# Altium PCB R100.230.030.001-00 ControlVR.PcbDoc (part 1 of 5) (continued)
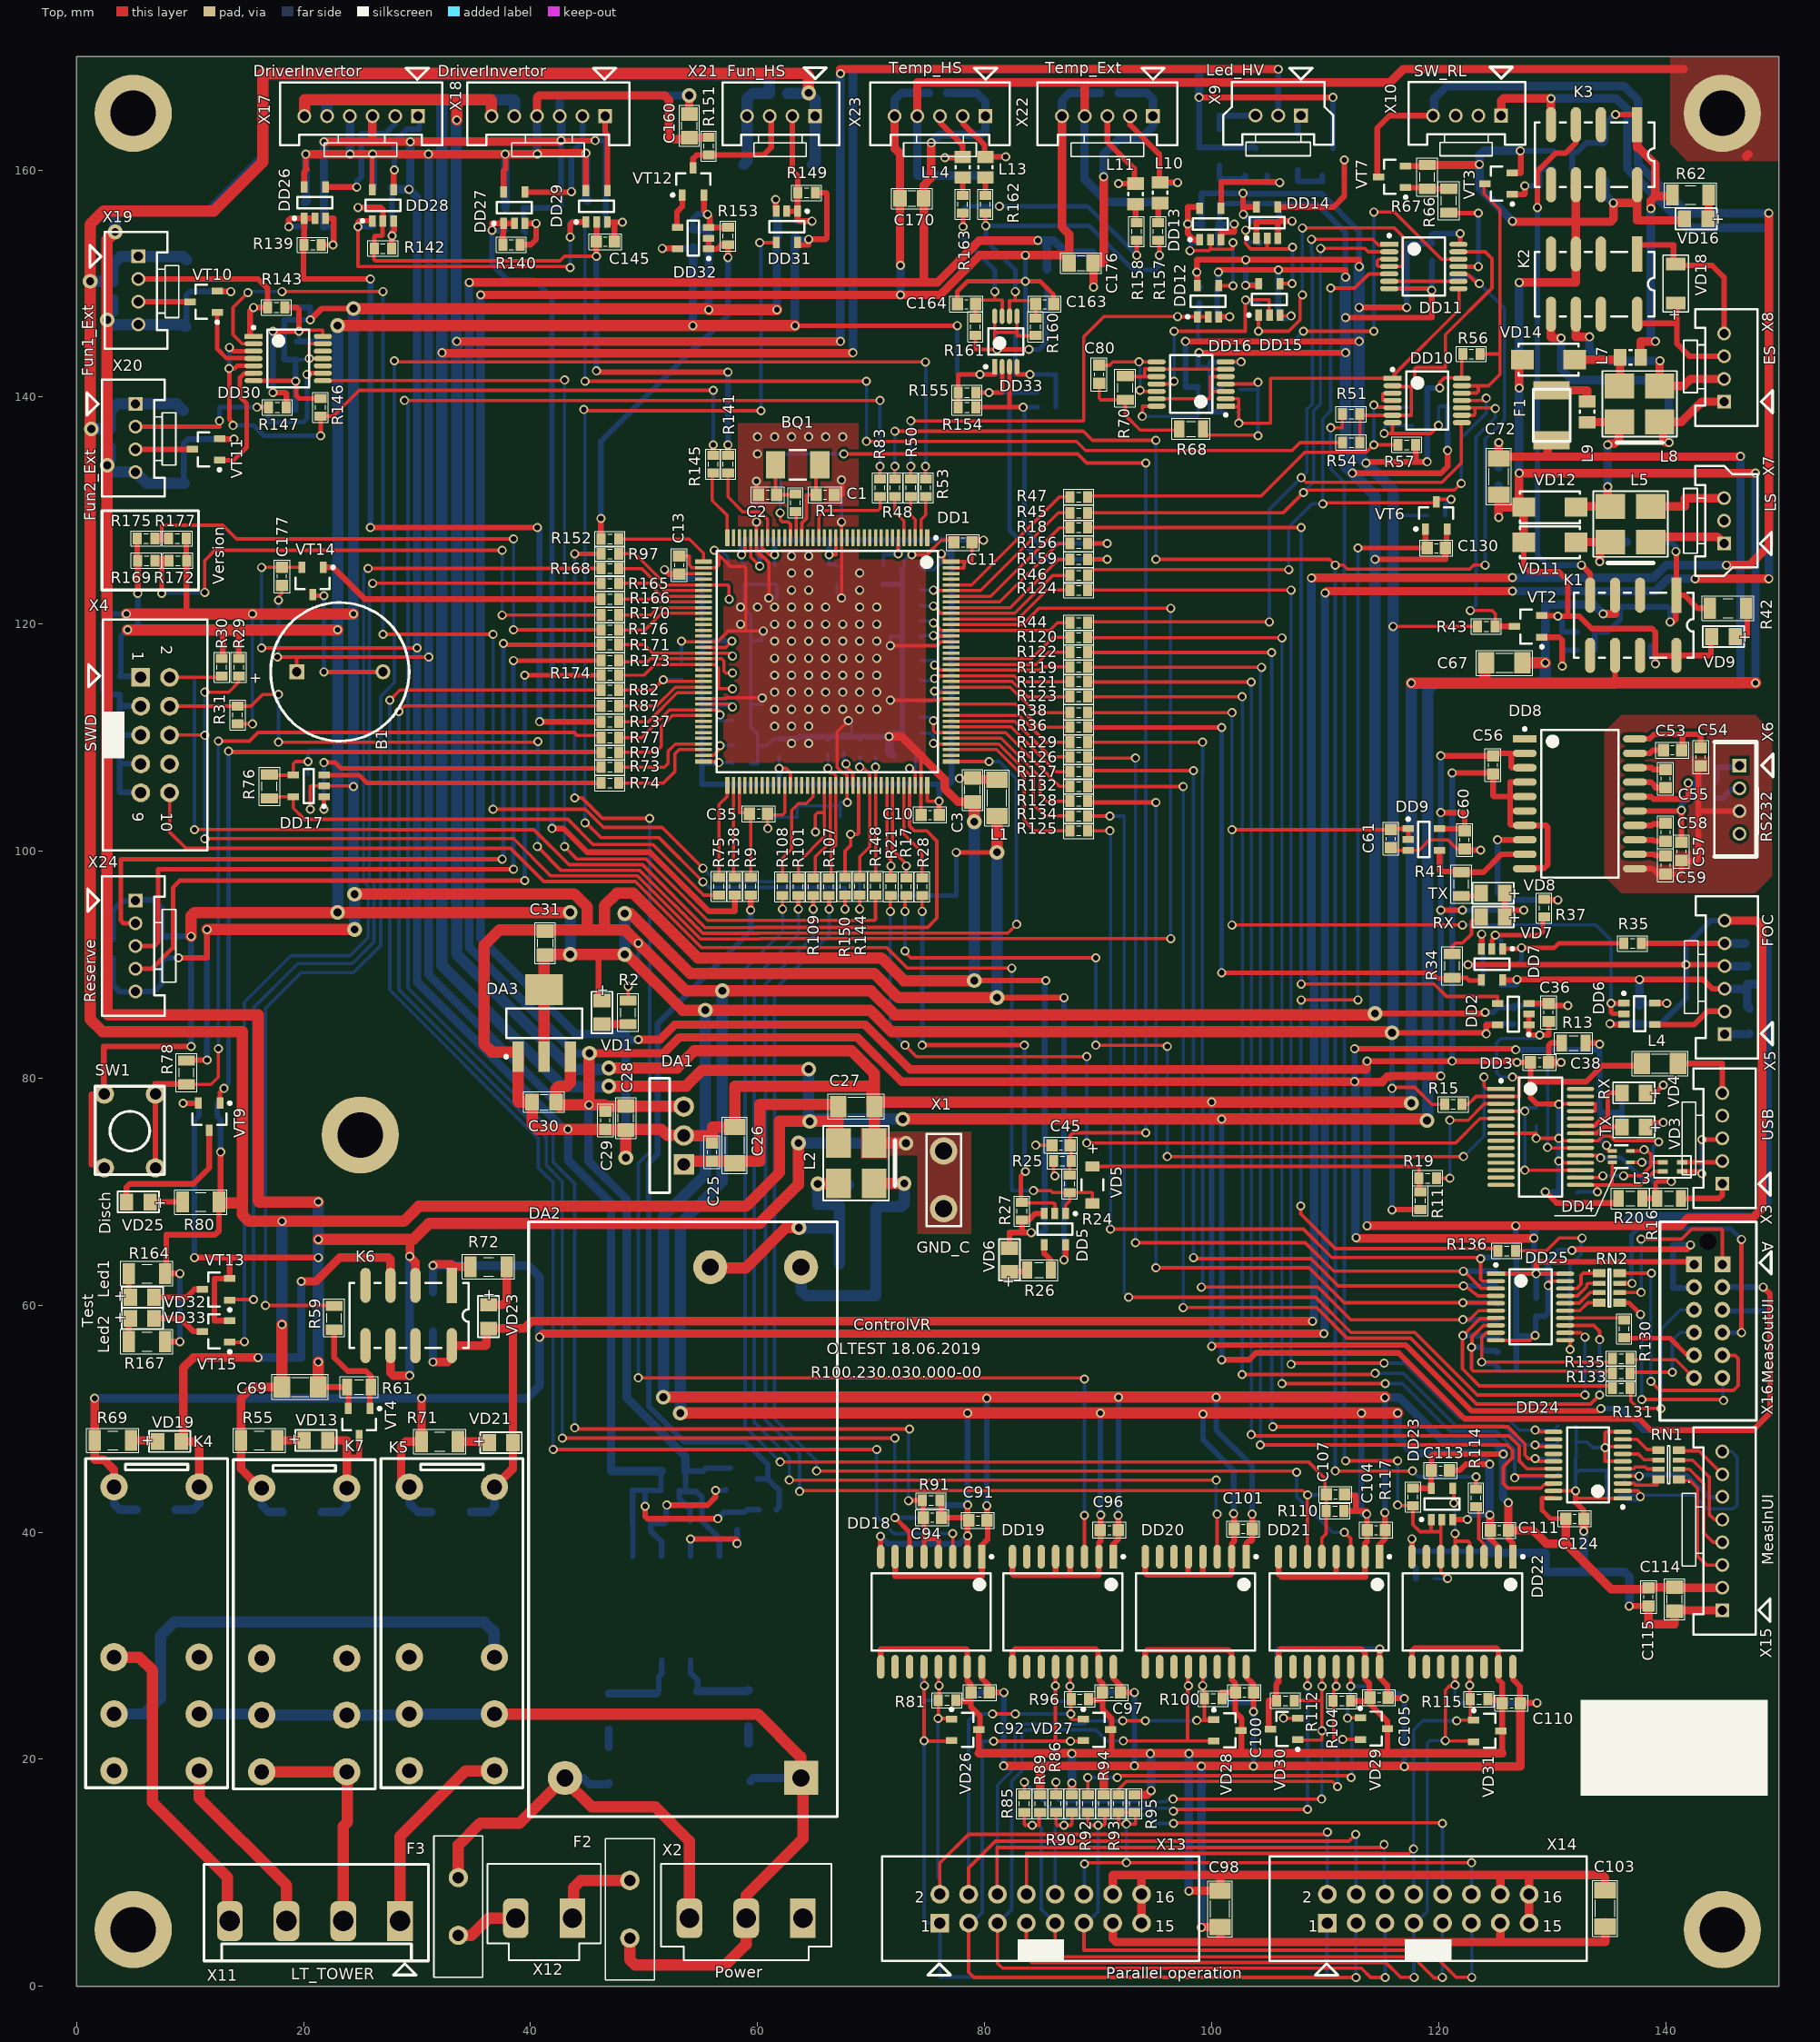
[diagram p0: Top view]
## Components (designator, comment, footprint, x,y, rotation, side; value= is the part's Value field where it differs from the comment) (continued)
C138 "0.1u" SMD_C_0603 38.575,156.675 r180 bottom
C139 "100p" SMD_C_0603 21,155.025 r180 bottom
C140 "100p" SMD_C_0603 38.575,154.675 r180 bottom
C141 "100p" SMD_C_0603 27,155.15 r0 bottom
C142 "100p" SMD_C_0603 45.8,155.4 r0 bottom
C143 "0.1u" SMD_C_0603 27,158.4 r180 bottom
C144 "0.1u" SMD_C_0603 45.825,157.3 r180 bottom
C145 "100p" SMD_C_0603 46.6,153.7 r180 top
C146 "100p" SMD_C_0603 27,156.65 r180 bottom
C147 "100u 20V" TAJD 9.7,149.15 r270 bottom
C148 "0.1u" SMD_C_0603 3.2,149.4 r270 bottom
C149 "10nF" SMD_C_0603 17.6,147.9 r0 bottom
C150 "1n" SMD_C_0603 69,109.3 r270 bottom
C151 "100u 20V" TAJD 9.45,135.65 r270 bottom
C152 "0.1u" SMD_C_0603 2.95,136.4 r270 bottom
C153 "10nF" SMD_C_0603 17.7,139.1 r0 bottom
C154 "1n" SMD_C_0603 70.4,109.3 r270 bottom
C155 "0.1u" SMD_C_0603 62.575,154.125 r0 bottom
C156 "100u 20V" TAJD 61.825,160.5 r180 bottom
C157 "0.1u" SMD_C_0603 61.825,166.75 r180 bottom
C158 "10nF" SMD_C_0603 62.575,155.5 r180 bottom
C159 "1n" SMD_C_0603 68.1,103 r0 bottom
C160 "4.7u" SMD_C_0805 54,163.9 r90 top
C161 "0.1u" SMD_C_0603 19.4,144.1 r270 bottom
C162 "0.1u" SMD_C_0603 54.325,154 r270 bottom
C163 "100p" SMD_C_0603 85.3,148.2 r0 top
C164 "100p" SMD_C_0603 78.4,148.2 r180 top
C165 "100p" SMD_C_0603 95.5,158 r270 bottom
C166 "100p" SMD_C_0603 93.3,158 r270 bottom
C167 "100p" SMD_C_0603 85.5,139.1 r180 bottom
C168 "100p" SMD_C_0603 85.5,140.5 r180 bottom
C169 "0.1u" SMD_C_0603 75.9,166.8 r0 bottom
C170 "4.7u" SMD_C_0805 73.6,157.5 r0 top
C171 "0.1u" SMD_C_0603 81.9,145.6 r180 bottom
C172 "0.1u" SMD_C_0603 81.875,142 r180 bottom
C173 "100p" SMD_C_0603 80.1,160.3 r270 bottom
C174 "100p" SMD_C_0603 78.1,160.3 r270 bottom
C175 "0.1u" SMD_C_0603 91,166.8 r0 bottom
C176 "4.7u" SMD_C_0805 88.5,151.8 r0 top
C177 "0.1u" SMD_C_0603 18.1,124.2 r270 top
C178 "100p" SMD_C_0603 58.6,117.15 r180 bottom
C179 "100p" SMD_C_0603 58.6,115.7 r180 bottom
C180 "100p" SMD_C_0603 58.6,114.3 r180 bottom
C181 "0.1u" SMD_C_0603 3.2,91.4 r270 bottom
C182 "4.7u" SMD_C_0805 7.55,91.4 r270 bottom
DA1 "TPSM84205" "EAB (SIP DCDC MODULE)" 53.5,74.96 r90 top
DA2 "IRM-20-12" IRM-20-12 63.831,18.358 r90 top
DA3 "TLV1117-33IDCY" SOT-223_M 41.2,84.85 r90 top
DA4 "6N139-X007" 6N139-X007 52.83,33.3 r90 bottom
DD1 "STM32F767ZI" SOT486-1_V 66.15,116.7 r270 top
DD2 "SN74LVC1G00DBV" SOT-23(DBV) 126.575,85.65 r180 top
DD3 "FT232RL" SSOP-28_M 129,74.825 r0 top
DD4 "TPD2E001DRLR" DRL5_M 136.1,73.1 r0 top
DD5 "SN74LVC1G00DBV" SOT-23(DBV) 86.2,66.7 r270 top
DD6 "SN74LVC1G08DBV" SOT-23(DBV) 137.7,85.675 r0 top
DD7 "SN74LVC1G08DBV" SOT-23(DBV) 124.7,90.025 r270 top
DD8 "ADM3251E" RW-20 132.446,104.175 r0 top
DD9 "SN74LVC1G08DBV" SOT-23(DBV) 118.7,101.025 r0 top
DD10 "74HC00" TSSOP14 119,139.7 r0 top
DD11 "74HC08" TSSOP14 118.7,151.5 r0 top
DD12 "SN74LVC1G00DBV" SOT-23(DBV) 99.7,148.45 r90 top
DD13 "SN74LVC1G08DBV" SOT-23(DBV) 99.9,155.25 r90 top
DD14 "SN74LVC1G32DBV" SOT-23(DBV) 104.9,155.375 r90 top
DD15 "SN74LVC1G08DBV" SOT-23(DBV) 105.1,148.6 r90 top
DD16 "74HC00" TSSOP14 98.2,141.15 r180 top
DD17 "AT24C08C-STUM" 5TS1 20.45,105.75 r180 top
DD18 "ISO1410DW" SOIC127P1030X265-16M 75.3,33 r270 top
DD19 "ISO1410DW" SOIC127P1030X265-16M 86.9,33 r270 top
DD20 "ISO1410DW" SOIC127P1030X265-16M 98.6,33 r270 top
DD21 "ISO1412DW" SOIC127P1030X265-16M 110.35,33 r270 top
DD22 "ISO1410DW" SOIC127P1030X265-16M 122.1,33 r270 top
DD23 "SN74LVC1G00DBV" SOT-23(DBV) 120.3,42.5 r90 top
DD24 "74HC244PW" TSSOP20 133.175,45.925 r180 top
DD25 "74HCT245PW" TSSOP20 128.1,59.85 r0 top
DD26 "SN74AHCT1G08DBV" SOT-23(DBV) 21,157.125 r90 top
DD27 "SN74AHCT1G08DBV" SOT-23(DBV) 38.575,156.675 r90 top
DD28 "SN74AHCT1G08DBV" SOT-23(DBV) 27,156.9 r90 top
DD29 "SN74AHCT1G08DBV" SOT-23(DBV) 45.825,156.8 r90 top
DD30 "74HC14PW" TSSOP14 18.65,143.4 r0 top
DD31 "SN74LVC1G00DBV" SOT-23(DBV) 62.575,155 r270 top
DD32 "SN74LVC1G00DBV" SOT-23(DBV) 54.325,154 r180 top
DD33 "TCA9517DGKR" DGK8_M 81.875,144.9 r90 top
F1 "0.1A 60VDC 15R" MF-MSMF010 129.964,138.4 r90 top
F2 "0.4A 250VAC 1.35R" C250-400 48.75,6.79 r90 top
F3 "0.4A 250VAC 1.35R" C250-400 33.644,7.04 r270 top
K1 "FTR-B4GA012Z" FTR-B4GA 140.95,122.55 r270 top
K2 "FTR-B4GA012Z" FTR-B4GA 137.5,152.6 r270 top
K3 "FTR-B4GA012Z" FTR-B4GA 137.5,164 r270 top
K4 "G2RL-24 DC12" G2RL 10.806,19 r270 top
K5 "G2RL-24 DC12" G2RL 36.823,18.994 r270 top
K6 "FTR-B4GA012Z" FTR-B4GA 33.062,61.75 r270 top
K7 "G2RL-24 DC12" G2RL 23.814,18.9 r270 top
L1 "BLM31PG601SN1" SMD_L_1206 81.1,104.7 r90 top
L2 "DLW5BSM351SQ2" DLW5BS(AH) 68.7,72.5 r90 top
L3 "744231091" WE-CNSW-0805 140.6,72.2 r180 top
L4 "BLM31PG601SN1" SMD_L_1206 139.5,81.3 r180 top
L5 "DLW5BSM302SQ2" DLW5BS(AH) 136.9,128.8 r0 top
L6 "BLM21AG102SN1" SMD_L_L2_W1.25 137.5,127.25 r0 bottom
L7 "BLM21AG102SN1" SMD_L_L2_W1.25 136.9,143.5 r0 top
L8 "DLW5BSM302SQ2" DLW5BS(AH) 137.7,139.4 r0 top
L9 "BLM21AG102SN1" SMD_L_L2_W1.25 133.1,138.7 r90 top
L10 "BLM21AG102SN1" SMD_L_L2_W1.25 95.475,158 r270 top
L11 "BLM21AG102SN1" SMD_L_L2_W1.25 93.3,157.9 r270 top
L12 "BLM21AG102SN1" SMD_L_L2_W1.25 85.5,150.3 r270 bottom
L13 "BLM21AG102SN1" SMD_L_L2_W1.25 80.075,160.25 r270 top
L14 "BLM21AG102SN1" SMD_L_L2_W1.25 78.075,160.25 r270 top
R1 "619" SMD_R_0603 63.35,130.7 r90 top
R2 "150" SMD_R_0805 48.6,85.8 r270 top
R3 "18.7K" SMD_R_1206 46.9,19.5 r270 bottom
R4 "18.7K" SMD_R_1206 59.2,19.8 r270 bottom
R5 "10K" SMD_R_0603 58.2,41 r90 bottom
R6 "18.7K" SMD_R_1206 46.9,24.2 r270 bottom
R7 "18.7K" SMD_R_1206 59.2,24.5 r270 bottom
R8 "10K" SMD_R_0805 53,41 r0 bottom
R9 "100" SMD_R_0603 59.4,96.9 r90 top
R10 "1K" SMD_R_0603 60.9,42 r0 bottom
R11 "10K" SMD_R_0603 118.4,69.2 r270 top
R12 "10K" SMD_R_0603 73.1,96.875 r270 bottom
R13 "10" SMD_R_0805 131.9,83.1 r0 top
R14 "10K" SMD_R_0603 71.75,96.875 r270 bottom
R15 "10K" SMD_R_0603 121.3,77.7 r180 top
R16 "4.7K" SMD_R_0805 140.3,69.4 r0 top
R17 "100" SMD_R_0603 73.1,96.875 r90 top
R18 "100" SMD_R_0603 88.3,128.5 r180 top
R19 "100" SMD_R_0603 119.05,71.2 r180 top
R20 "10K" SMD_R_0805 136.9,69.4 r0 top
R21 "100" SMD_R_0603 71.75,96.875 r90 top
R22 "390" SMD_R_0805 137.2,75.6 r0 bottom
R23 "390" SMD_R_0805 137.15,78.6 r0 bottom
R24 "100" SMD_R_0603 87.5,70.7 r270 top
R25 "10K" SMD_R_0603 86.85,72.7 r180 top
R26 "150" SMD_R_0805 84.8,63.1 r180 top
R27 "10K" SMD_R_0603 83.3,68.3 r270 top
R28 "100" SMD_R_0603 74.5,96.875 r90 top
R29 "10K" SMD_R_0603 14.3,116.2 r90 top
R30 "10K" SMD_R_0603 12.8,116.2 r90 top
R31 "10K" SMD_R_0603 14.2,112 r90 top
R32 "1K" SMD_R_0603 147.8,91.9 r0 bottom
R33 "150" SMD_R_0805 147.4,85 r90 bottom
R34 "390" SMD_R_0805 121.2,89.9 r90 top
R35 "100" SMD_R_0603 137.1,91.875 r180 top
R36 "100" SMD_R_0603 88.3,110.925 r180 top
R37 "100" SMD_R_0603 129.3,95 r270 top
R38 "100" SMD_R_0603 88.3,112.225 r180 top
R39 "100" SMD_R_0603 143.6,106.1 r180 bottom
R40 "100" SMD_R_0603 143.6,104.7 r180 bottom
R41 "390" SMD_R_0805 122,97.1 r90 top
R42 "1K" SMD_R_1206 145.5,121.4 r0 top
R43 "1K" SMD_R_0603 124.2,119.8 r180 top
R44 "100" SMD_R_0603 88.3,120.125 r180 top
R45 "100" SMD_R_0603 88.3,129.8 r180 top
R46 "100" SMD_R_0603 88.3,124.3 r180 top
R47 "100" SMD_R_0603 88.3,131.2 r180 top
R48 "100" SMD_R_0603 72.125,132 r270 top
R49 "10K" SMD_R_0603 133,117.7 r180 bottom
R50 "100" SMD_R_0603 73.525,132 r270 top
R51 "100" SMD_R_0603 112.3,138.5 r180 top
R52 "10K" SMD_R_0603 133,119.3 r0 bottom
R53 "100" SMD_R_0603 74.825,132 r270 top
R54 "100" SMD_R_0603 112.3,136 r180 top
R55 "1K" SMD_R_1206 16.1,48.1 r0 top
R56 "1K" SMD_R_0603 122.9,143.8 r180 top
R57 "10K" SMD_R_0603 117.2,135.8 r180 top
R58 "10K" SMD_R_0603 131,160 r180 bottom
R59 "1K" SMD_R_0805 22.7,58.9 r270 top
R60 "10K" SMD_R_0603 131,161.6 r0 bottom
R61 "1K" SMD_R_0805 24.9,52.8 r0 top
R62 "1K" SMD_R_1206 142.2,157.8 r0 top
R63 "510" SMD_R_1206 100.7,162 r90 bottom
R64 "510" SMD_R_1206 107.6,161.6 r90 bottom
R65 "1K" SMD_R_0603 119.8,129.575 r180 bottom
R66 "1K" SMD_R_0805 120.9,157.3 r90 top
R67 "1K" SMD_R_0805 119,159.4 r270 top
R68 "1M" SMD_R_0805 98.2,137.2 r180 top
R69 "1K" SMD_R_1206 3.2,48.1 r0 top
R70 "200K" SMD_R_0805 92.4,140.8 r270 top
R71 "1K" SMD_R_1206 32,48 r0 top
R72 "1K" SMD_R_1206 36.3,63.4 r0 top
R73 "100" SMD_R_0603 47,107.4 r0 top
R74 "100" SMD_R_0603 47,106 r0 top
R75 "100" SMD_R_0603 56.6,96.9 r90 top
R76 "4.7K" SMD_R_0805 17,105.7 r270 top
R77 "100" SMD_R_0603 47,110 r0 top
R78 "2K" SMD_R_0805 9.7,80.5 r270 top
R79 "100" SMD_R_0603 47,108.7 r0 top
R80 "510" SMD_R_1206 10.95,69.1 r0 top
R81 "10K" SMD_R_0603 76.7,25.2 r180 top
R82 "100" SMD_R_0603 47,114.2 r180 top
R83 "100" SMD_R_0603 70.8,132 r90 top
R84 "619" SMD_R_0603 75.2,28.3 r0 bottom
R85 "0R" SMD_R_0603 83.5,16.1 r270 top
R86 "0R" SMD_R_0603 86.3,16.1 r90 top
R87 "100" SMD_R_0603 47,112.8 r180 top
R88 "10K" SMD_R_0603 76.7,25.2 r180 bottom
R89 "0R" SMD_R_0603 84.9,16.1 r270 top
R90 "0R" SMD_R_0603 87.7,16.1 r90 top
R91 "10K" SMD_R_0603 75.3,42.8 r180 top
R92 "0R" SMD_R_0603 89.1,16.1 r270 top
R93 "0R" SMD_R_0603 91.8,16.1 r90 top
R94 "0R" SMD_R_0603 90.5,16.1 r270 top
R95 "0R" SMD_R_0603 93.2,16.1 r90 top
R96 "10K" SMD_R_0603 88.4,25.3 r0 top
R97 "100" SMD_R_0603 47,126.2 r180 top
R98 "619" SMD_R_0603 86.9,28.3 r0 bottom
R99 "10K" SMD_R_0603 88.5,25.2 r180 bottom
R100 "10K" SMD_R_0603 100.15,25.35 r0 top
R101 "100" SMD_R_0603 63.575,96.875 r270 top
R102 "619" SMD_R_0603 98.7,28.2 r0 bottom
R103 "10K" SMD_R_0603 100.175,25.025 r180 bottom
R104 "10K" SMD_R_0603 111.475,25.15 r0 top
R105 "10K" SMD_R_0603 114.6,25.8 r0 bottom
R106 "619" SMD_R_0603 111.7,28.6 r180 bottom
R107 "100" SMD_R_0603 66.275,96.875 r270 top
R108 "100" SMD_R_0603 62.2,96.875 r270 top
R109 "100" SMD_R_0603 64.9,96.875 r270 top
R110 "10K" SMD_R_0603 110.875,41.875 r180 top
R111 "619" SMD_R_0603 109,28.6 r0 bottom
R112 "10K" SMD_R_0603 106.5,25.175 r0 top
R113 "10K" SMD_R_0603 106.5,25.225 r0 bottom
R114 "100" SMD_R_0603 123.3,43.025 r270 top
R115 "10K" SMD_R_0603 123.575,25.3 r0 top
R116 "10K" SMD_R_0603 123.875,24.95 r0 bottom
R117 "10K" SMD_R_0603 117.75,43.125 r270 top
R118 "619" SMD_R_0603 122.1,28.6 r0 bottom
R119 "100" SMD_R_0603 88.3,116.225 r180 top
R120 "100" SMD_R_0603 88.3,118.825 r180 top
R121 "100" SMD_R_0603 88.3,114.925 r180 top
R122 "100" SMD_R_0603 88.3,117.525 r180 top
R123 "100" SMD_R_0603 88.3,113.625 r180 top
R124 "100" SMD_R_0603 88.3,123 r180 top
R125 "100" SMD_R_0603 88.3,101.8 r0 top
R126 "100" SMD_R_0603 88.3,108.3 r0 top
R127 "100" SMD_R_0603 88.3,107 r0 top
R128 "100" SMD_R_0603 88.3,104.4 r0 top
R129 "100" SMD_R_0603 88.3,109.6 r0 top
R130 "100" SMD_R_0603 136.35,57.925 r270 top
R131 "100" SMD_R_0603 136.1,52.7 r180 top
R132 "100" SMD_R_0603 88.3,105.7 r180 top
R133 "100" SMD_R_0603 136.1,54 r180 top
R134 "100" SMD_R_0603 88.3,103.1 r180 top
R135 "100" SMD_R_0603 136.1,55.3 r180 top
R136 "100" SMD_R_0603 126,64.8 r180 top
R137 "100" SMD_R_0603 47,111.4 r180 top
R138 "100" SMD_R_0603 58,96.9 r270 top
R139 "5K6" SMD_R_0603 20.8,153.4 r180 top
R140 "5K6" SMD_R_0603 38.325,153.425 r180 top
R141 "100" SMD_R_0603 57.4,134.1 r90 top
R142 "5K6" SMD_R_0603 27,153.1 r180 top
R143 "2.2K" SMD_R_0603 17.6,147.9 r0 top
R144 "100" SMD_R_0603 69,96.9 r90 top
R145 "100" SMD_R_0603 56.1,134.1 r270 top
R146 "10K" SMD_R_0603 21.5,139.1 r270 top
R147 "2.2K" SMD_R_0603 17.7,139.1 r0 top
R148 "100" SMD_R_0603 70.4,96.9 r90 top
R149 "2.2K" SMD_R_0603 64.325,158 r0 top
R150 "100" SMD_R_0603 67.7,96.9 r90 top
R151 "2.2K" SMD_R_0603 55.7,162.1 r270 top
R152 "100" SMD_R_0603 47,127.5 r0 top
R153 "10K" SMD_R_0603 57.4,154.2 r270 top
R154 "2K" SMD_R_0603 78.45,139.1 r180 top
R155 "2K" SMD_R_0603 78.45,140.4 r180 top
R156 "100" SMD_R_0603 88.3,127.1 r180 top
R157 "100" SMD_R_0603 95.3,154.6 r270 top
R158 "100" SMD_R_0603 93.4,154.6 r270 top
R159 "100" SMD_R_0603 88.3,125.7 r180 top
R160 "2K" SMD_R_0603 84.5,146.2 r270 top
R161 "2K" SMD_R_0603 79.2,146.2 r270 top
R162 "100" SMD_R_0603 80.075,157 r270 top
R163 "100" SMD_R_0603 78.075,157 r270 top
R164 "1K" SMD_R_1206 6.2,62.8 r0 top
R165 "100" SMD_R_0603 47,123.6 r180 top
R166 "100" SMD_R_0603 47,122.2 r180 top
R167 "1K" SMD_R_1206 6.2,56.8 r0 top
R168 "100" SMD_R_0603 47,124.9 r180 top
R169 "10K" SMD_R_0603 6.15,125.6 r180 top
R170 "100" SMD_R_0603 47,120.8 r180 top
R171 "100" SMD_R_0603 47,118.2 r180 top
R172 "100" SMD_R_0603 8.925,125.6 r180 top
R173 "100" SMD_R_0603 47,116.8 r180 top
R174 "100" SMD_R_0603 47,115.5 r180 top
R175 "10K" SMD_R_0603 6.125,127.55 r180 top
R176 "100" SMD_R_0603 47,119.5 r180 top
R177 "100" SMD_R_0603 8.9,127.55 r180 top
RN1 "100" CRA06S 140.275,45.95 r180 top
RN2 "100" CRA06S 135.05,61.525 r0 top
SW1 "B3F-1025" "B3F-1025 (NO GND)" 2.45,78.6 r270 top
VD1 "LL-S172GC-2A" SMD_LED_LL_GREEN 46.3,85.8 r270 top
VD2 "PMLL4148" SOD80C 53,26 r0 bottom
VD3 "LL-S172GC-2A" SMD_LED_LL_GREEN 137.2,75.7 r180 top
VD4 "LL-S172GC-2A" SMD_LED_LL_GREEN 137.2,78.7 r180 top
VD5 "MBR0540T1G" SOD-123 89.5,70.6 r90 top
VD6 "LL-S172SC-2S" SMD_LED_LL_RED 82.2,64 r90 top
VD7 "LL-S172GC-2A" SMD_LED_LL_GREEN 124.8,94.2 r180 top
VD8 "LL-S172GC-2A" SMD_LED_LL_GREEN 124.8,96.3 r180 top
VD9 "LL-S172GC-2A" SMD_LED_LL_GREEN 145.1,118.9 r180 top
VD10 "PMLL4148" SOD80C 138.7,119.8 r90 bottom
VD11 "SMAJ12CA" "DO-214AC NOPOLARITY" 129.8,127.2 r180 top
VD12 "SMAJ12CA" "DO-214AC NOPOLARITY" 129.8,130.3 r180 top
VD13 "LL-S172GC-2A" SMD_LED_LL_GREEN 21.1,48.1 r0 top
VD14 "SMAJ12CA" "DO-214AC NOPOLARITY" 129.7,143.3 r180 top
VD15 "PMLL4148" SOD80C 19.9,41.8 r180 bottom
VD16 "LL-S172GC-2A" SMD_LED_LL_GREEN 142.7,155.7 r180 top
VD17 "PMLL4148" SOD80C 134.7,160.8 r90 bottom
VD18 "PMLL4148" SOD80C 140.9,150 r90 top
VD19 "LL-S172GC-2A" SMD_LED_LL_GREEN 8.2,48 r0 top
VD20 "PMLL4148" SOD80C 7,42 r180 bottom
VD21 "LL-S172GC-2A" SMD_LED_LL_GREEN 37.404,47.9 r0 top
VD22 "PMLL4148" SOD80C 33,41.8 r180 bottom
VD23 "LL-S172GC-2A" SMD_LED_LL_GREEN 36.3,59 r270 top
VD24 "PMLL4148" SOD80C 31.4,59.425 r90 bottom
VD25 "LL-S172SC-2S" SMD_LED_LL_RED 5.45,69.1 r180 top
VD26 "PSM712" SOT23-3 78.3,22.6 r0 top
VD27 "PSM712" SOT23-3 89.9,22.6 r0 top
VD28 "PSM712" SOT23-3 101.4,22.55 r0 top
VD29 "PSM712" SOT23-3 114.3,22.7 r0 top
VD30 "PSM712" SOT23-3 106.4,22.675 r180 top
VD31 "PSM712" SOT23-3 124.3,22.5 r0 top
VD32 "LL-S172SC-2S" SMD_LED_LL_RED 5.8,60.7 r0 top
VD33 "LL-S172GC-2A" SMD_LED_LL_GREEN 5.8,58.85 r0 top
VT1 "PDTA114ET" SOT23-3 58.8,44.7 r0 bottom
VT2 "PDTC114ET" SOT23-3 127.9,119.8 r180 top
VT3 "PDTC114ET" SOT23-3 125.3,158.8 r180 top
VT4 "BC817" SOT23-3 24.9,49.7 r270 top
VT5 "PDTC114ET" SOT23-3 103.9,160.7 r90 bottom
VT6 "PDTC114ET" SOT23-3 119.8,129.575 r90 top
VT7 "BC817" SOT23-3 115.9,159.4 r180 top
VT8 "PDTC114ET" SOT23-3 110.7,160.7 r90 bottom
VT9 "PDTC114ET" SOT23-3 11.7,76.6 r270 top
VT10 "PDTC114ET" SOT23-3 11.2,148.4 r180 top
VT11 "PDTC114ET" SOT23-3 11.4,135.4 r180 top
VT12 "PDTC114ET" SOT23-3 54.325,159 r90 top
VT13 "PDTC114ET" SOT23-3 12.3,61.4 r180 top
VT14 "PDTC114ET" SOT23-3 20.8,123.8 r270 top
VT15 "PDTC114ET" SOT23-3 12.3,57.7 r180 top
X1 "63849-1" 63849-1 76.4,73.58 r270 top
X2 "B03P-NV" "B03P-NV (POWER)" 64,6 r180 top
X3 "Sherlock 5" 35362-0550 145,70.7 r270 top
X4 "IDC10" 918510X324 6.93,110.23 r270 top
X5 "Sherlock 6" 35362-0650 145.2,83.875 r270 top
X6 "Micro-Latch 4" 53253-0470 146.509,107.525 r90 top
X7 "Sherlock 3" 35362-0350 145.15,127.1 r270 top
X8 "Sherlock 4" 35362-0450 145.15,139.6 r270 top
X9 "Sherlock 3" 35362-0350 107.875,164.8 r0 top
X10 "Sherlock 4" 35362-0450 125.515,164.797 r0 top
X11 "B04P-NV" "B04P-NV (power)" 28.5,5.75 r180 top
X12 "B02P-NV" B02P-NV 43.697,6 r180 top
X13 "IDC16" 918516x324 84.95,6.845 r0 top
X14 "IDC16" 918516x324 119.09,6.845 r0 top
X15 "Sherlock 8" 35362-0850 145,33.117 r270 top
X16 "MI II (53313-1265)" 53313-1265 145,63.6 r270 top
X17 "Sherlock 6" 35362-0650 30.075,164.75 r0 top
X18 "Sherlock 6" 35362-0650 46.575,164.75 r0 top
X19 "Sherlock 4" 35362-0450 5.45,152.4 r90 top
X20 "Sherlock 4" 35362-0450 5.2,139.4 r90 top
X21 "Sherlock 4" 35362-0450 65.075,164.75 r0 top
X22 "Sherlock 5" 35362-0550 94.825,164.75 r0 top
X23 "Sherlock 5" 35362-0550 80.075,164.75 r0 top
X24 "Sherlock 5" 35362-0550 5.2,95.65 r90 top

## Footprints (in the part's own frame and the unit in brackets; to place one, negate y for a bottom-side part, rotate by r counter-clockwise, add the part's x,y. Pads: shape width x height; smd on the part's side, far side on the other; paste and mask are expansions set on the pad)
5TS1 [mm] "SOT23, 5-Leads, Body 2,90x2,80mm, Pitch 0,95mm, IPC Medium Density"
  rect 1x0.6 smd: 1(-1.35,0.95) 2(-1.35,0) 3(-1.35,-0.95) 4(1.35,-0.95) 5(1.35,0.95)
  silkscreen extent -1.48,-1.5 0.45,1.92, body extent -0.85,-1.5 0.85,1.5, height 1
6N139-X007 [mm] "SOP, 8-Leads, Body 9,77x6,65mm, Pitch 2,54mm, IPC Medium Density"
  rect 1.85x0.7 smd: 1(-4.6,3.81)
  oval 1.85x0.7 smd: 2(-4.6,1.27) 3(-4.6,-1.27) 4(-4.6,-3.81) 5(4.6,-3.81) 6(4.6,-1.27) 7(4.6,1.27) 8(4.6,3.81)
  silkscreen extent -4.72,-4.95 3.27,4.95, body extent -5.1,-4.95 5.1,4.95, height 4.6
35362-0350 [mil]
  rect 48x48 / inner round 0 / far side rect 48x48 hole 32 mask+4.97: 1(0,0)
  round 48 / inner round 0 / far side round 48 hole 32 mask+4.97: 2(-78.73,0) 3(-157.47,0)
  silkscreen extent -270,-140 112,164, body extent -270,-103 112,115, height 335
35362-0450 [mil]
  rect 48x48 / inner round 0 / far side rect 48x48 hole 32 mask+4.97: 1(0,0)
  round 48 / inner round 0 / far side round 48 hole 32 mask+4.97: 2(-78.73,0) 3(-157.47,0) 4(-236.22,0)
  silkscreen extent -321,-140 85,168, body extent -321,-102 85,116, height 335
35362-0550 [mil]
  rect 48x48 / inner round 0 / far side rect 48x48 hole 32 mask+4.97: 1(0,0)
  round 48 / inner round 0 / far side round 48 hole 32 mask+4.97: 2(-78.73,0) 3(-157.47,0) 4(-236.22,0) 5(-314.95,0)
  silkscreen extent -400,-140 85,166, body extent -399,-102 85,116, height 335
35362-0650 [mil]
  rect 48x48 / inner round 0 / far side rect 48x48 hole 32 mask+4.97: 1(0,0)
  round 48 / inner round 0 / far side round 48 hole 32 mask+4.97: 2(-78.73,0) 3(-157.47,0) 4(-236.22,0) 5(-314.95,0) 6(-394,0)
  silkscreen extent -478,-140 85,166, body extent -478,-102 85,116, height 335
35362-0850 [mil]
  rect 48x48 / inner round 0 / far side rect 48x48 hole 32 mask+4.97: 1(0,0)
  round 48 / inner round 0 / far side round 48 hole 32 mask+4.97: 2(-78.73,0) 3(-157.47,0) 4(-236.22,0) 5(-314.95,0) 6(-394,0) 7(-472,0) 8(-551,0)
  silkscreen extent -635,-140 85,165, body extent -636,-102 85,116, height 335
53253-0470 [mil]
  rect 48x48 / inner round 0 / far side rect 48x48 hole 32 mask+4.97: 1(0,0)
  round 48 / inner round 0 / far side round 48 hole 32 mask+4.97: 2(-78.73,0) 3(-157.47,0) 4(-236.22,0)
  silkscreen extent -315,-116 83,87, body extent -315,-59 79,85, height 217
53313-1265 [mm] "MI II"
  round 0 hole 1.5: 0(-2,-1.27)
  rect 1.4x1.4 hole 0.8: 1A(0,0) 1B(0,-2.5)
  round 1.4 hole 0.8: 2A(2,0) 2B(2,-2.5) 3A(4,0) 3B(4,-2.5) 4A(6,0) 4B(6,-2.5) 5A(8,0) 5B(8,-2.5) 6A(10,0) 6B(10,-2.5)
  silkscreen extent -3.75,-5.5 13.75,4.3, body extent -3.7,-5.5 13.7,3, height 6.51
63849-1 [mil]
  round 95 hole 60: 1(0,0) 2(200,0)
  silkscreen extent -60,-60 260,60, body extent -56,-60 256,61, height 409
918510X324 [mm] "Connector; IDC, Low Profile Male Header, Thru-Hole; 10 Position; Vertical; Pitch 2.54 mm; Body 20.32 x 9.2 x 9.45 mm (LxWxH)"
  rect 1.65x1.65 hole 1: 1(-5.08,-1.27)
  round 1.65 hole 1: 2(-5.08,1.27) 3(-2.54,-1.27) 4(-2.54,1.27) 5(0,-1.27) 6(0,1.27) 7(2.54,-1.27) 8(2.54,1.27) 9(5.08,-1.27) 10(5.08,1.27)
  silkscreen extent -10.16,-5.88 10.16,4.6, body extent -10.18,-4.5 10.18,4.7, height 8.84
918516x324 [mm] "Connector; IDC, Low Profile Male Header, Thru-Hole; 16 Position; Vertical; Pitch 2.54 mm; Body 27.94 x 9.2 x 9.45 mm (LxWxH)"
  rect 1.65x1.65 hole 1: 1(-8.89,-1.27)
  round 1.65 hole 1: 2(-8.89,1.27) 3(-6.35,-1.27) 4(-6.35,1.27) 5(-3.81,-1.27) 6(-3.81,1.27) 7(-1.27,-1.27) 8(-1.27,1.27) 9(1.27,-1.27) 10(1.27,1.27) 11(3.81,-1.27) 12(3.81,1.27) 13(6.35,-1.27) 14(6.35,1.27) 15(8.89,-1.27) 16(8.89,1.27)
  silkscreen extent -13.97,-5.85 13.97,4.6, body extent -13.95,-4.45 13.95,4.75, height 9.46
B02P-NV [mm]
  rect 2.25x3.5 hole 1.7: 1(0,0)
  rrect50% 2.25x3.5 hole 1.7: 2(5,0)
  silkscreen extent -2.5,-4.8 7.5,3.7, body extent -2.5,-4.8 7.5,3.7, height 10.92
"B3F-1025 (NO GND)" [mm]
  round 1.7 hole 1: 1(6.5,0) 2(0,0) 3(6.5,4.5) 4(0,4.5)
  silkscreen extent -0.7,-0.8 7.1,5.3, body extent -0.6,-0.75 7.1,5.25, height 5.01
"B03P-NV (POWER)" [mm]
  rect 2.25x3.5 hole 1.7: 1(0,0)
  rrect50% 2.25x3.5 hole 1.7: 2(5,0) 3(10,0)
  silkscreen extent -2.5,-4.8 12.5,3.7, body extent -2.5,-4.8 12.5,3.7, height 2.1
"B04P-NV (power)" [mm]
  rect 2.25x3.5 hole 1.8: 1(0,0)
  rrect50% 2.25x3.5 hole 1.8: 2(5,0) 3(10,0) 4(15,0)
  silkscreen extent -2.5,-5 17.27,4.75, body extent -2.52,-4.83 17.47,3.68, height 10.9
C250-400 [mm]
  round 1.7 hole 1: 1(-2.54,0) 2(2.54,0)
  silkscreen extent -6.22,-2.16 6.22,2.16, body extent -6.25,-2.1 6.25,2.1, height 10.5
CRA06S [mm] "Chip Array, ConvexS, 8-Leads, Pitch 0,80mm,  Body 3,20x1,50mm,  IPC Low Density"
  rect 1.1x0.7 smd: 1(-0.9,1.295) 4(-0.9,-1.295) 5(0.9,-1.295) 8(0.9,1.295)
  rect 1.1x0.45 smd: 2(-0.9,0.4) 3(-0.9,-0.4) 6(0.9,-0.4) 7(0.9,0.4)
  silkscreen extent -1.83,-1.65 0.1,1.65, body extent -0.87,-1.68 0.87,1.68, height 0.6
DFN390P500X135-2N [mm] "DFN, 2-Leads, Body 3,20x5,00mm, Pitch 3,90mm, Quartz Crystal"
  rect 1.7x2.4 smd: 1(-1.95,0) 2(1.95,0)
  silkscreen extent -0.7,-1.3 0.7,1.3, body extent -2.58,-1.53 2.57,1.52, height 1.35
DGK8_M [mm] "TSOP, 8-Leads, Body 3,00x3,00mm, Pitch 0,65mm, IPC Medium Density"
  rect 1.35x0.45 smd: 1(-2.225,0.975)
  oval 1.35x0.45 smd: 2(-2.225,0.325) 3(-2.225,-0.325) 4(-2.225,-0.975) 5(2.225,-0.975) 6(2.225,-0.325) 7(2.225,0.325) 8(2.225,0.975)
  silkscreen extent -2.35,-1.55 1.15,1.9, body extent -2.45,-1.55 2.45,1.55, height 1.1
DLW5BS(AH) [mil] "SMD Inductor"
  rect 102.24x86 smd: 1(-70,-62) 2(70,-62) 3(70,62) 4(-70,62)
  silkscreen extent -129,-134 130,114, body extent -98,-96 98,100, height 96
"DO-214AC NOPOLARITY" [mm] "Molded Diode, 2-Leads, Body 5,10x2,67mm, IPC Medium Density"
  rect 2x1.7 smd: 1(-2.3,0) 2(2.3,0)
  silkscreen extent -2.65,-1.4 2.65,1.4, body extent -2.86,-1.4 2.86,1.4, height 2.29
DRL5_M [mm] "SOTFL, 5-Flat Leads, Body 1.2x1.6x0.6mm, Pitch 0.5mm, IPC Low Density"
  rect 0.77x0.3 smd: 1(-0.79,0.5) 2(-0.79,0) 3(-0.79,-0.5) 4(0.79,-0.5) 5(0.79,0.5)
  silkscreen extent -1,-1 0.55,1.05, body extent -0.65,-0.85 0.65,0.85, height 0.6
"EAB (SIP DCDC MODULE)" [mm]
  rect 1.8x1.8 hole 1.1: 1(-2.54,0)
  round 1.8 hole 1.1: 2(0,0) 3(2.54,0)
  silkscreen extent -5.05,1.25 5.02,3, body extent -5,-5.03 5,3.77, height 11.01
FTR-B4GA [mm] "FTR-B4GA"
  rect 3.1x0.9 smd: 1(0,0)
  oval 3.1x0.9 smd: 2(0,-3.2) 3(0,-5.4) 4(0,-7.6) 5(5.3,-7.6) 6(5.3,-5.4) 7(5.3,-3.2) 8(5.3,0)
  silkscreen extent -0.2,-9 5.5,1.5, body extent -0.2,-9 5.5,1.5, height 9.7
G2RL [mm]
  round 2.4 hole 1.3: 1(-25,-7.5) 3(-5,-7.5) 4(0,-7.5) 5(0,0) 6(-5,0) 7(-10,0) 8(-25,0)
  oval 2.5x2.4 hole 1.3: 2(-10,-7.5)
  silkscreen extent -27.5,-10 1.5,2.5, body extent -27.5,-10 1.5,2.5, height 15.7
IRM-20-12 [mm]
  rect 3x3 hole 1.5: 1(0,0)
  round 3 hole 1.5: 2(0,20.8) 3(45,0) 4(45,8)
  silkscreen extent -3.4,-3.2 49,24, body extent -3.4,-3.2 49,24, height 24
KPX-G12 [mil]
  rect 52x52 hole 32: 1(-149.61,0)
  round 52 hole 32: 2(149.61,0)
  silkscreen extent -240,-240 240,240, body extent -236,-236 236,236, height 295
MF-MSMF010 [mm]
  rect 1.6x3.2 smd: 1(-2.2,0) 2(2.2,0)
  silkscreen extent -2.3,-1.62 2.3,1.62, body extent -2.43,-1.75 2.43,1.75, height 1.1
RW-20 [mm] "SOIC, 20-Leads, Body 12,80x7,50mm, Pitch 1,27mm, IPC Low Density"
  rect 2.1x0.65 smd: 1(-4.85,5.715)
  oval 2.1x0.65 smd: 2(-4.85,4.445) 3(-4.85,3.175) 4(-4.85,1.905) 5(-4.85,0.635) 6(-4.85,-0.635) 7(-4.85,-1.905) 8(-4.85,-3.175) 9(-4.85,-4.445) 10(-4.85,-5.715) 11(4.85,-5.715) 12(4.85,-4.445) 13(4.85,-3.175) 14(4.85,-1.905) 15(4.85,-0.635) 16(4.85,0.635) 17(4.85,1.905) 18(4.85,3.175) 19(4.85,4.445) 20(4.85,5.715)
  silkscreen extent -4.97,-6.5 3.4,6.71, body extent -5.16,-6.5 5.16,6.5, height 2.65
SMD_C_0603 [mm]
  rect 1x1.1 smd: 1(-0.8,0) 2(0.8,0)
  silkscreen extent -1.45,-0.7 1.45,0.7, body extent -0.9,-0.45 0.9,0.45, height 0.7
SMD_C_0805 [mm]
  rect 1.2x1.5 smd: 1(-1.05,0) 2(1.05,0)
  silkscreen extent -1.8,-0.9 1.8,0.9, body extent -1.05,-0.67 1.05,0.67, height 0.7
SMD_C_1206 [mm]
  rect 1.45x1.9 smd: 1(-1.6,0) 2(1.6,0)
  silkscreen extent -2.47,-1.1 2.47,1.1, body extent -1.7,-0.9 1.7,0.9, height 1.6
SMD_L_1206 [mm]
  rect 1.45x1.9 smd: 1(-1.6,0) 2(1.6,0)
  silkscreen extent -2.47,-1.07 2.45,1.1, body extent -1.7,-0.9 1.7,0.9, height 1.6
SMD_L_L2_W1.25 [mm]
  rect 1.09x1.47 smd: 1(-0.91,0) 2(0.91,0)
  silkscreen extent -0.1,-0.64 0.1,0.64, body extent -1.1,-0.72 1.1,0.72, height 0.85
SMD_LED_LL_GREEN [mil] "Chip Diode, 2-Leads, Body 2,00x1,25mm, IPC Low Density"
  rect 47x59 smd: 1(-41,0) 2(41,0)
  silkscreen extent -72,-36 72,36, body extent -41,-27 41,27, height 31
SMD_LED_LL_RED [mil] "Chip Diode, 2-Leads, Body 2,00x1,25mm, IPC Low Density"
  rect 47x59 smd: 1(-41,0) 2(41,0)
  silkscreen extent -72,-36 72,36, body extent -41,-27 41,27, height 31
SMD_R_0603 [mm]
  rect 0.8x1.05 smd: 1(-0.775,0) 2(0.775,0)
  silkscreen extent -1.33,-0.67 1.33,0.67, body extent -0.82,-0.48 0.82,0.48, height 0.5
SMD_R_0805 [mm]
  rect 0.9x1.5 smd: 1(-1.05,0) 2(1.05,0)
  silkscreen extent -1.68,-0.92 1.68,0.92, body extent -1.1,-0.7 1.1,0.7, height 0.5
SMD_R_1206 [mm]
  rect 1.1x1.85 smd: 1(-1.6,0) 2(1.6,0)
  silkscreen extent -2.3,-1.07 2.3,1.07, body extent -1.65,-0.87 1.65,0.87, height 0.6
SOD80C [mm] "MELF Diode, 2-Leads, Body 3,50x1,53mm, IPC Medium Density"
  rect 1.1x1.75 smd: 1(-1.725,0) 2(1.725,0)
  silkscreen extent -2.5,-1.12 2.5,1.12, body extent -1.85,-0.8 1.85,0.8, height 1.6
SOD-123 [mm] "Molded Diode, 2-Leads, Body 3,71x1,60mm"
  rect 0.91x1.22 smd: 1(-1.635,0) 2(1.635,0)
  silkscreen extent -0.48,-0.95 0.48,0.95, body extent -1.85,-0.8 1.85,0.8, height 1.27
SOIC127P1030X265-16M [mm] "SOIC, 16-Leads, Body 10,30x7,50mm, Pitch 1,27mm, IPC Low Density"
  rect 2.1x0.65 smd: 1(-4.85,4.445)
  oval 2.1x0.65 smd: 2(-4.85,3.175) 3(-4.85,1.905) 4(-4.85,0.635) 5(-4.85,-0.635) 6(-4.85,-1.905) 7(-4.85,-3.175) 8(-4.85,-4.445) 9(4.85,-4.445) 10(4.85,-3.175) 11(4.85,-1.905) 12(4.85,-0.635) 13(4.85,0.635) 14(4.85,1.905) 15(4.85,3.175) 16(4.85,4.445)
  silkscreen extent -4.97,-5.25 3.4,5.45, body extent -5.15,-5.25 5.15,5.25, height 2.65
SOT23-3 [mm] "SOT23, 3-Leads, Body 2,90x2,45mm, Pitch 0,95mm, IPC Medium Density"
  rect 1x0.6 smd: 1(-1.2,0.95) 2(-1.2,-0.95) 3(1.2,0)
  silkscreen extent -1.32,-1.5 0.7,1.92, body extent -1.25,-1.5 1.25,1.5, height 1.05
SOT486-1_V [mm] "Thin QFP, 144-Leads, Body 20x20mm, Pitch 0.5mm, NXP Recommended"
  rect 1.5x0.4 smd: 1(-10.9,8.81) 36(-10.9,-8.81) 73(10.9,-8.81) 108(10.9,8.81)
  rect 1.5x0.28 smd: 2(-10.9,8.25) 3(-10.9,7.75) 4(-10.9,7.25) 5(-10.9,6.75) 6(-10.9,6.25) 7(-10.9,5.75) 8(-10.9,5.25) 9(-10.9,4.75) 10(-10.9,4.25) 11(-10.9,3.75) 12(-10.9,3.25) 13(-10.9,2.75) 14(-10.9,2.25) 15(-10.9,1.75) 16(-10.9,1.25) 17(-10.9,0.75) 18(-10.9,0.25) 19(-10.9,-0.25) 20(-10.9,-0.75) 21(-10.9,-1.25) 22(-10.9,-1.75) 23(-10.9,-2.25) 24(-10.9,-2.75) 25(-10.9,-3.25) 26(-10.9,-3.75) 27(-10.9,-4.25) 28(-10.9,-4.75) 29(-10.9,-5.25) 30(-10.9,-5.75) 31(-10.9,-6.25) 32(-10.9,-6.75) 33(-10.9,-7.25) 34(-10.9,-7.75) 35(-10.9,-8.25) 74(10.9,-8.25) 75(10.9,-7.75) 76(10.9,-7.25) 77(10.9,-6.75) 78(10.9,-6.25) 79(10.9,-5.75) 80(10.9,-5.25) 81(10.9,-4.75) 82(10.9,-4.25) 83(10.9,-3.75) 84(10.9,-3.25) 85(10.9,-2.75) 86(10.9,-2.25) 87(10.9,-1.75) 88(10.9,-1.25) 89(10.9,-0.75) 90(10.9,-0.25) 91(10.9,0.25) 92(10.9,0.75) 93(10.9,1.25) 94(10.9,1.75) 95(10.9,2.25) 96(10.9,2.75) 97(10.9,3.25) 98(10.9,3.75) 99(10.9,4.25) 100(10.9,4.75) 101(10.9,5.25) 102(10.9,5.75) 103(10.9,6.25) 104(10.9,6.75) 105(10.9,7.25) 106(10.9,7.75) 107(10.9,8.25)
  rect 0.4x1.5 smd: 37(-8.81,-10.9) 72(8.81,-10.9) 109(8.81,10.9) 144(-8.81,10.9)
  rect 0.28x1.5 smd: 38(-8.25,-10.9) 39(-7.75,-10.9) 40(-7.25,-10.9) 41(-6.75,-10.9) 42(-6.25,-10.9) 43(-5.75,-10.9) 44(-5.25,-10.9) 45(-4.75,-10.9) 46(-4.25,-10.9) 47(-3.75,-10.9) 48(-3.25,-10.9) 49(-2.75,-10.9) 50(-2.25,-10.9) 51(-1.75,-10.9) 52(-1.25,-10.9) 53(-0.75,-10.9) 54(-0.25,-10.9) 55(0.25,-10.9) 56(0.75,-10.9) 57(1.25,-10.9) 58(1.75,-10.9) 59(2.25,-10.9) 60(2.75,-10.9) 61(3.25,-10.9) 62(3.75,-10.9) 63(4.25,-10.9) 64(4.75,-10.9) 65(5.25,-10.9) 66(5.75,-10.9) 67(6.25,-10.9) 68(6.75,-10.9) 69(7.25,-10.9) 70(7.75,-10.9) 71(8.25,-10.9) 110(8.25,10.9) 111(7.75,10.9) 112(7.25,10.9) 113(6.75,10.9) 114(6.25,10.9) 115(5.75,10.9) 116(5.25,10.9) 117(4.75,10.9) 118(4.25,10.9) 119(3.75,10.9) 120(3.25,10.9) 121(2.75,10.9) 122(2.25,10.9) 123(1.75,10.9) 124(1.25,10.9) 125(0.75,10.9) 126(0.25,10.9) 127(-0.25,10.9) 128(-0.75,10.9) 129(-1.25,10.9) 130(-1.75,10.9) 131(-2.25,10.9) 132(-2.75,10.9) 133(-3.25,10.9) 134(-3.75,10.9) 135(-4.25,10.9) 136(-4.75,10.9) 137(-5.25,10.9) 138(-5.75,10.9) 139(-6.25,10.9) 140(-6.75,10.9) 141(-7.25,10.9) 142(-7.75,10.9) 143(-8.25,10.9)
  silkscreen extent -11.02,-9.75 9.75,9.75, body extent -11.1,-11.1 11.1,11.1, height 1.88
SOT-23(DBV) [mm] "SOT23, 5-Leads, Body 2,90x2,80mm, Pitch 0,95mm, IPC Medium Density"
  rect 1x0.6 smd: 1(-1.375,0.95) 2(-1.375,0) 3(-1.375,-0.95) 4(1.375,-0.95) 5(1.375,0.95)
  silkscreen extent -1.5,-1.55 0.5,1.92, body extent -1.5,-1.53 1.5,1.53, height 1.45
SOT-223_M [mm] "SOT223, 4-Leads, Body 6.5x3.5mm, Pitch 2.3mm, Lead Span 7mm, IPC Low Density"
  rect 2.7x1 smd: 1(-2.95,2.3) 2(-2.95,0) 3(-2.95,-2.3)
  rect 2.7x3.3 smd: 4(2.95,0)
  silkscreen extent -3.07,-3.35 1.3,3.47, body extent -1.85,-3.35 1.85,3.35, height 1.8
SSOP-28_M [mm] "SOP, 28-Leads, Body 10.2x5.3mm, Pitch 0.65mm, IPC Low Density"
  rect 2.4x0.35 smd: 1(-3.5,4.225)
  oval 2.4x0.35 smd: 2(-3.5,3.575) 3(-3.5,2.925) 4(-3.5,2.275) 5(-3.5,1.625) 6(-3.5,0.975) 7(-3.5,0.325) 8(-3.5,-0.325) 9(-3.5,-0.975) 10(-3.5,-1.625) 11(-3.5,-2.275) 12(-3.5,-2.925) 13(-3.5,-3.575) 14(-3.5,-4.225) 15(3.5,-4.225) 16(3.5,-3.575) 17(3.5,-2.925) 18(3.5,-2.275) 19(3.5,-1.625) 20(3.5,-0.975) 21(3.5,-0.325) 22(3.5,0.325) 23(3.5,0.975) 24(3.5,1.625) 25(3.5,2.275) 26(3.5,2.925) 27(3.5,3.575) 28(3.5,4.225)
  silkscreen extent -3.62,-5.25 1.9,5.25, body extent -3.88,-5.16 3.88,5.17, height 2.15
TAJD [mm] "Molded Capacitor, 2-Leads, Body 7,30x4,35mm, IPC Medium Density"
  rect 2.45x2.5 smd: 1(-3.025,0) 2(3.025,0)
  silkscreen extent -3.75,-2.25 3.75,2.25, body extent -3.57,-2.15 3.57,2.15, height 2.8
TSSOP14 [mm] "SOP, 14-Leads, Body 5.1x4.5mm, Pitch 0.65mm, IPC Low Density"
  rect 1.6x0.45 smd: 1(-3.05,1.95)
  oval 1.6x0.45 smd: 2(-3.05,1.3) 3(-3.05,0.65) 4(-3.05,0) 5(-3.05,-0.65) 6(-3.05,-1.3) 7(-3.05,-1.95) 8(3.05,-1.95) 9(3.05,-1.3) 10(3.05,-0.65) 11(3.05,0) 12(3.05,0.65) 13(3.05,1.3) 14(3.05,1.95)
  silkscreen extent -3.17,-2.55 1.85,2.85, body extent -3.21,-2.5 3.21,2.5, height 1.2
TSSOP20 [mm] "SOP, 20-Leads, Body 6.6x4.5mm, Pitch 0.65mm, IPC Low Density"
  rect 1.6x0.381 smd: 1(-3.05,2.925)
  oval 1.6x0.381 smd: 2(-3.05,2.275) 3(-3.05,1.625) 4(-3.05,0.975) 5(-3.05,0.325) 6(-3.05,-0.325) 7(-3.05,-0.975) 8(-3.05,-1.625) 9(-3.05,-2.275) 10(-3.05,-2.925) 11(3.05,-2.925) 12(3.05,-2.275) 13(3.05,-1.625) 14(3.05,-0.975) 15(3.05,-0.325) 16(3.05,0.325) 17(3.05,0.975) 18(3.05,1.625) 19(3.05,2.275) 20(3.05,2.925)
  silkscreen extent -3.18,-3.3 1.85,3.82, body extent -3.21,-3.25 3.21,3.25, height 1.2
WE-CNSW-0805 [mm] "SMD Inductor, 4-Leads, Body 1.4x2.2x1.4 mm"
  rect 0.9x0.4 smd: 1(-0.85,0.4) 2(0.85,0.4) 3(0.85,-0.4) 4(-0.85,-0.4)
  silkscreen extent -1.63,-0.97 1.63,0.97, body extent -1,-0.6 1,0.6, height 1.18